# Altium PCB JTAG批量下载板-V1.6-ASCII.PcbDoc (part 2 of 14) (continued)
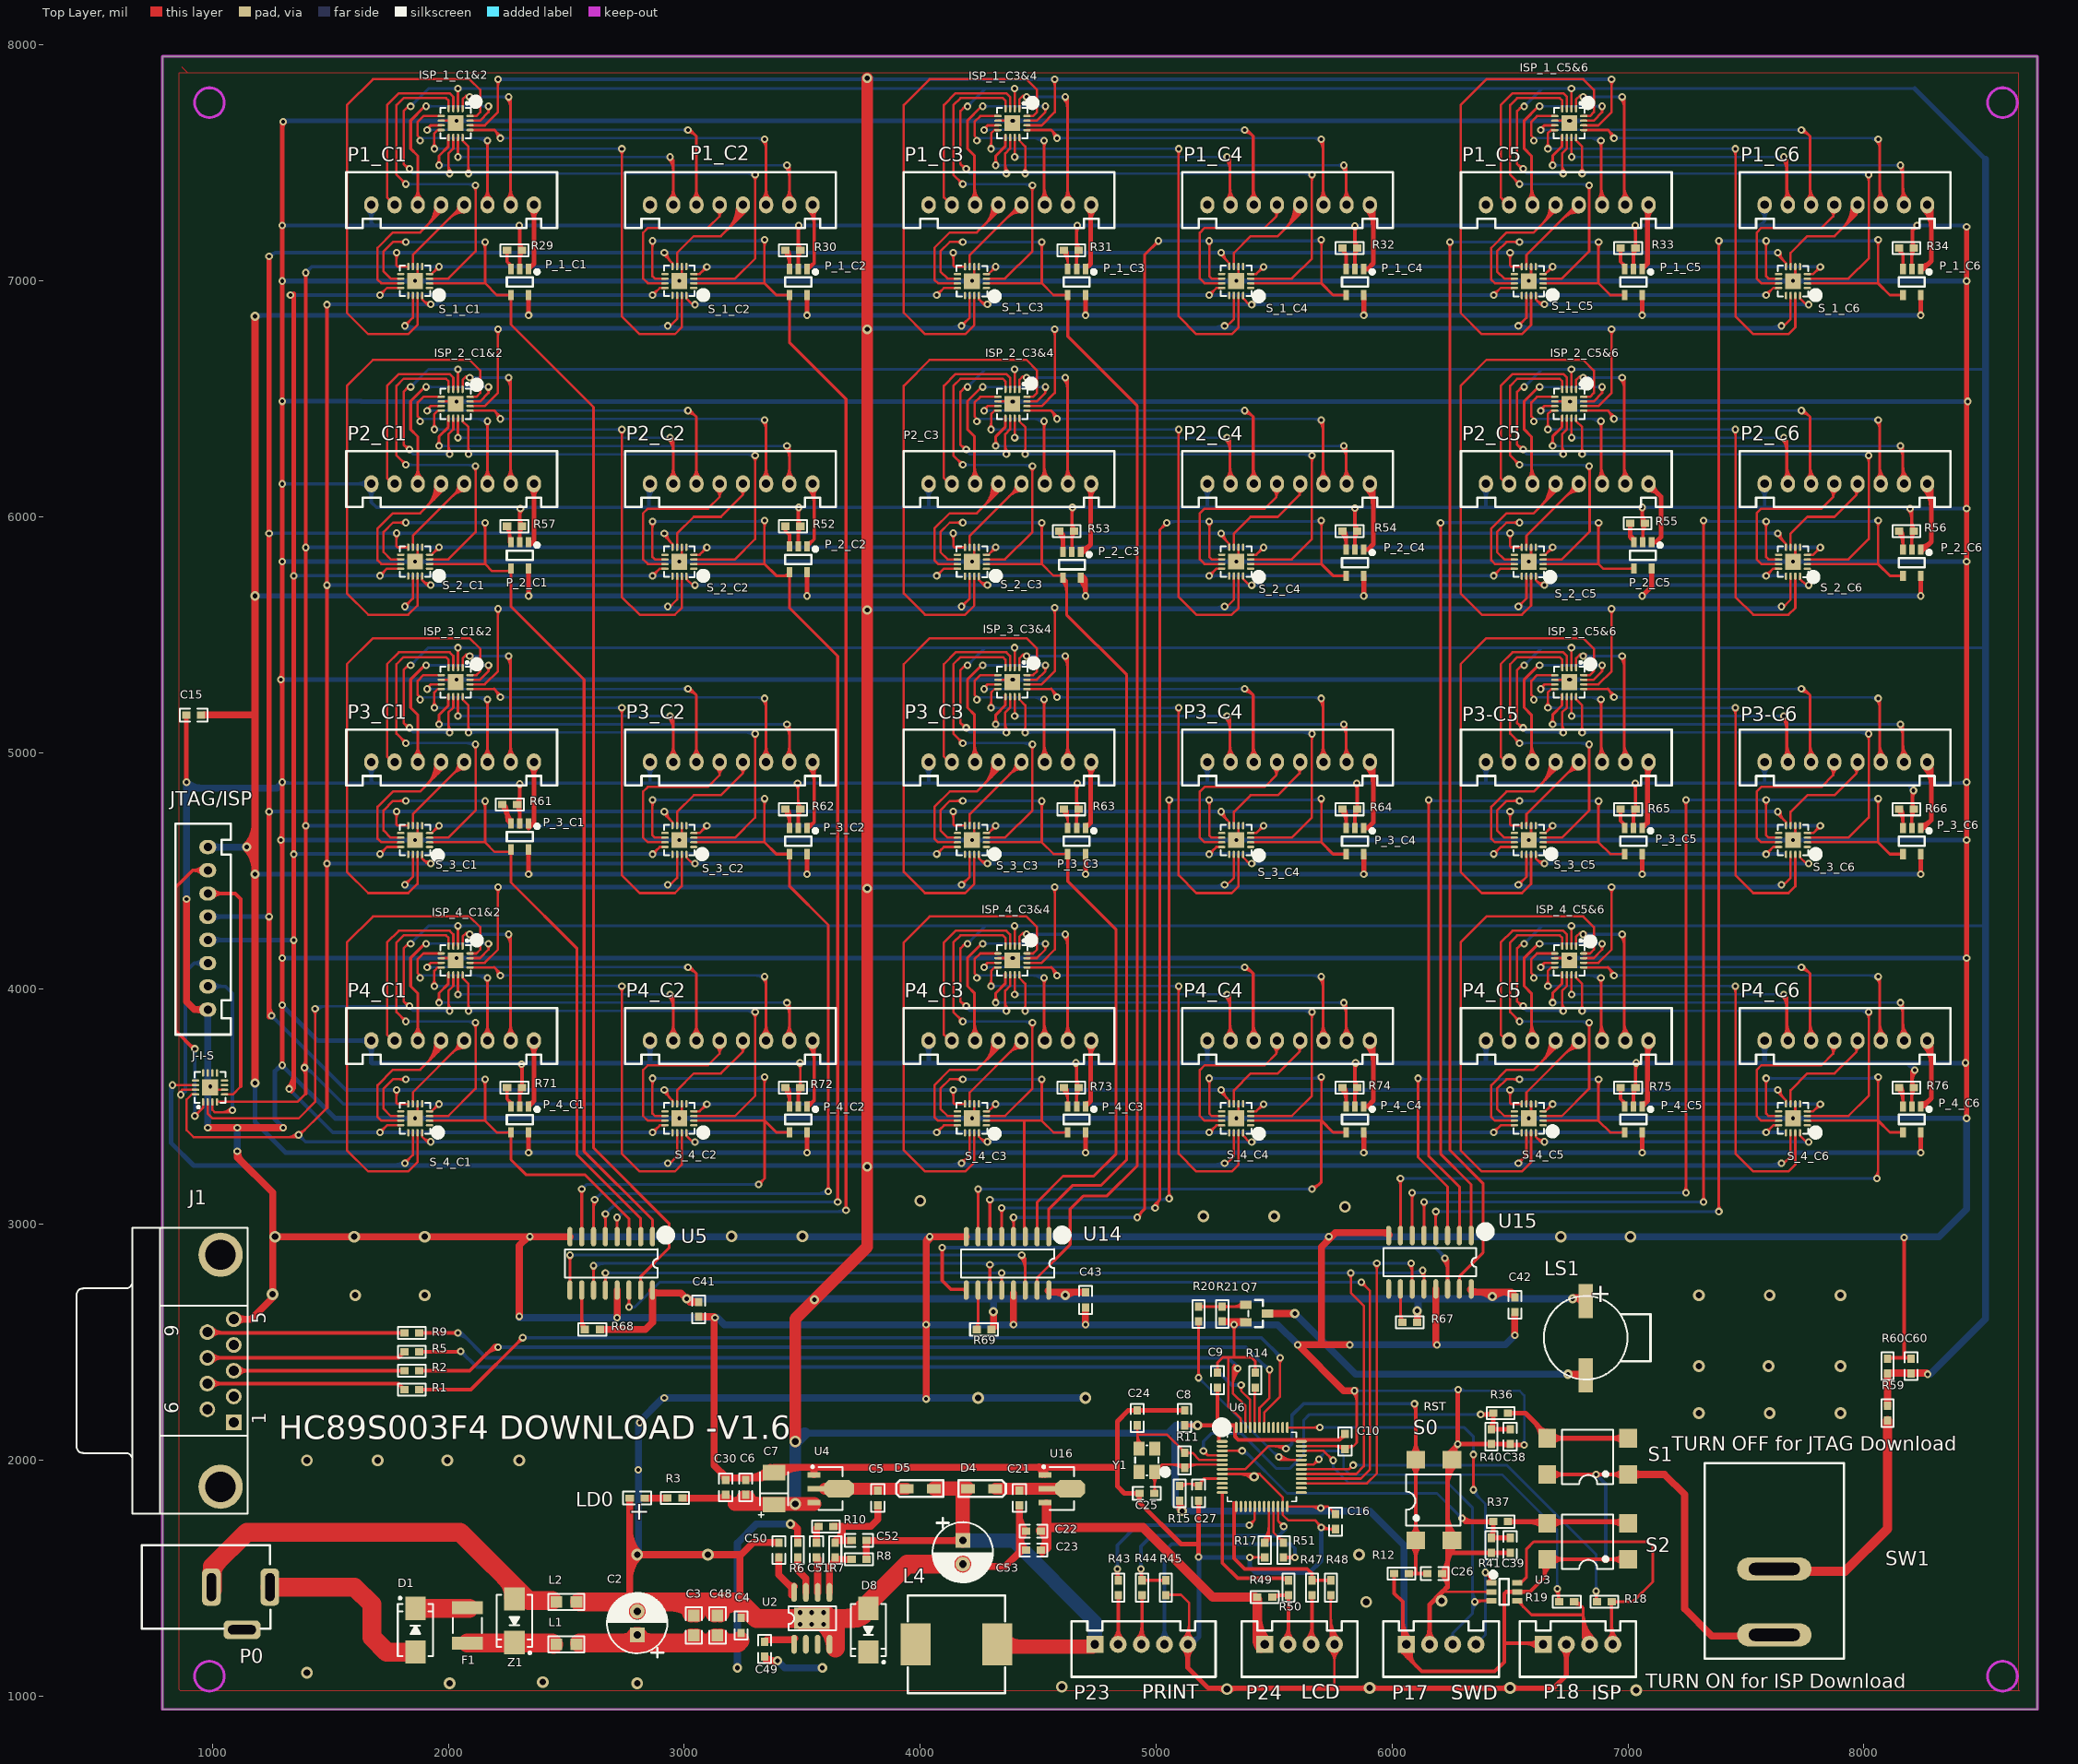
[diagram p0: Top Layer view]
## Nets (pads, with @x,y where several pads share a name; then routed paths per layer and width w, separated by ;. In a path a pad name is that pad's centre, name@x,y a point inside that pad or via, vN(x,y) a via of type N, cw(c..) or ccw(c..) an arc to the next point about the centre after c; other vN are vias at no path point) (continued)
  Top Layer w50: v2(3470,2080) 3470,2600 3775,2905 v3(3775,7860)
  Top Layer w60: C6.1@3249.92,1841.46 ccw(c3313.8,1905.33) 3313.8,1815 ; C6.1@3271.11,1842.61 cw(c3213.51,1888.9) 3213.51,1815 U4.3@3550,1815
  Bottom Layer w15: v1(2210,7855.55) v1(6930,7855.55) ; 2230.52,7855.55 cw(c2230.52,7876.07) 2216.01,7861.56 ccw(c2230.52,7876.07) 2230.52,7855.55 ; 2230.52,7855.55 ccw(c2230.52,7835.03) 2216.01,7849.54 cw(c2230.52,7835.03) 2230.52,7855.55 ; 4549.48,7855.55 cw(c4549.48,7835.03) 4563.99,7849.54 ccw(c4549.48,7835.03) 4549.48,7855.55 ; 4549.48,7855.55 ccw(c4549.48,7876.07) 4563.99,7861.56 cw(c4549.48,7876.07) 4549.48,7855.55 ; 4590.52,7855.55 cw(c4590.52,7876.07) 4576.01,7861.56 ccw(c4590.52,7876.07) 4590.52,7855.55 ; 4590.52,7855.55 ccw(c4590.52,7835.03) 4576.01,7849.54 cw(c4590.52,7835.03) 4590.52,7855.55 ; 6909.48,7855.55 cw(c6909.48,7835.03) 6923.99,7849.54 ccw(c6909.48,7835.03) 6909.48,7855.55 ; 6909.48,7855.55 ccw(c6909.48,7876.07) 6923.99,7861.56 cw(c6909.48,7876.07) 6909.48,7855.55 ; 3734.08,7855.55 ccw(c3734.08,7900.92) 3766.16,7868.84 cw(c3734.08,7900.92) 3734.08,7855.55 ; v3@3783.84,7868.84 ccw(c3815.92,7900.92) 3815.92,7855.55 cw(c3815.92,7900.92) v3@3783.84,7868.84
  Bottom Layer w16: v1(6865,1940) 6905,1900 v1(6905,1580) ; v1@6865,1932 cw(c6865,1912.69) 6878.66,1926.34 ; v1@6865,1932 cw(c6865,1912.69) 6878.66,1926.34 ; v1@6865,1932 cw(c6865,1912.69) 6878.66,1926.34 ; v1@6865,1932 cw(c6865,1912.69) 6878.66,1926.34 ; v1@6865,1932 cw(c6865,1912.69) 6878.66,1926.34 ; v1@6873,1940 ccw(c6892.31,1940) 6878.66,1926.34 ; v1@6873,1940 ccw(c6892.31,1940) 6878.66,1926.34 ; v1@6873,1940 ccw(c6892.31,1940) 6878.66,1926.34 ; v1@6873,1940 ccw(c6892.31,1940) 6878.66,1926.34 ; v1@6873,1940 ccw(c6892.31,1940) 6878.66,1926.34 ; v1@6899.34,1585.66 ccw(c6885.69,1599.31) 6905,1599.31 ; v1@6899.34,1585.66 ccw(c6885.69,1599.31) 6905,1599.31 ; v1@6899.34,1585.66 ccw(c6885.69,1599.31) 6905,1599.31 ; v1@6899.34,1585.66 ccw(c6885.69,1599.31) 6905,1599.31 ; v1@6899.34,1585.66 ccw(c6885.69,1599.31) 6905,1599.31 ; 6905,1599.31 ccw(c6924.31,1599.31) v1@6910.66,1585.66 ; 6905,1599.31 ccw(c6924.31,1599.31) v1@6910.66,1585.66 ; 6905,1599.31 ccw(c6924.31,1599.31) v1@6910.66,1585.66 ; 6905,1599.31 ccw(c6924.31,1599.31) v1@6910.66,1585.66 ; 6905,1599.31 ccw(c6924.31,1599.31) v1@6910.66,1585.66
  Bottom Layer w20: v1@835,3590.87 825,3580.87 825,3345 920,3250 7640,3250 v1(7650,3260) ; v1@1815,4430 v1@7650,4430 ; v1@1815,5610 v1@7650,5610 ; v1@1815,6800 v1@7650,6800 ; 2183.44,6800 cw(c2183.44,6768.44) v1@2205.76,6790.76 ; v1@2214.24,6790.76 cw(c2236.56,6768.44) 2236.56,6800 ; 3738.79,3250 cw(c3738.79,3208.79) v3@3767.93,3237.93 ; 3738.79,4430 cw(c3738.79,4388.79) v3@3767.93,4417.93 ; 3738.79,5610 cw(c3738.79,5568.79) v3@3767.93,5597.93 ; 3738.79,6800 cw(c3738.79,6758.79) v3@3767.93,6787.93 ; v3@3782.07,3237.93 cw(c3811.21,3208.79) 3811.21,3250 ; v3@3782.07,4417.93 cw(c3811.21,4388.79) 3811.21,4430 ; v3@3782.07,5597.93 cw(c3811.21,5568.79) 3811.21,5610 ; v3@3782.07,6787.93 cw(c3811.21,6758.79) 3811.21,6800 ; 4543.44,6800 cw(c4543.44,6768.44) v1@4565.76,6790.76 ; v1@4574.24,6790.76 cw(c4596.56,6768.44) 4596.56,6800 ; 6903.44,6800 cw(c6903.44,6768.44) v1@6925.76,6790.76 ; v1@6934.24,6790.76 cw(c6956.56,6768.44) 6956.56,6800 ; 825,3562.22 cw(c859.51,3562.22) 835.11,3586.62 ccw(c859.51,3562.22) 825,3562.22 ; 1776.37,3250 ccw(c1776.37,3298.63) 1810.76,3264.24 cw(c1776.37,3298.63) 1776.37,3250 ; v1@1819.24,3264.24 ccw(c1853.63,3298.63) 1853.63,3250 cw(c1853.63,3298.63) v1@1819.24,3264.24 ; v1@1819.24,4444.24 ccw(c1853.63,4478.63) 1853.63,4430 cw(c1853.63,4478.63) v1@1819.24,4444.24 ; v1@1819.24,5624.24 ccw(c1853.63,5658.63) 1853.63,5610 cw(c1853.63,5658.63) v1@1819.24,5624.24 ; v1@1819.24,6814.24 ccw(c1853.63,6848.63) 1853.63,6800 cw(c1853.63,6848.63) v1@1819.24,6814.24 ; 2891.37,3250 ccw(c2891.37,3298.63) 2925.76,3264.24 cw(c2891.37,3298.63) 2891.37,3250 ; 2891.37,4430 ccw(c2891.37,4478.63) 2925.76,4444.24 cw(c2891.37,4478.63) 2891.37,4430 ; 2891.37,5610 ccw(c2891.37,5658.63) 2925.76,5624.24 cw(c2891.37,5658.63) 2891.37,5610 ; 2891.37,6800 ccw(c2891.37,6848.63) 2925.76,6814.24 cw(c2891.37,6848.63) 2891.37,6800 ; v1@2934.24,3264.24 ccw(c2968.63,3298.63) 2968.63,3250 cw(c2968.63,3298.63) v1@2934.24,3264.24 ; v1@2934.24,4444.24 ccw(c2968.63,4478.63) 2968.63,4430 cw(c2968.63,4478.63) v1@2934.24,4444.24 ; v1@2934.24,5624.24 ccw(c2968.63,5658.63) 2968.63,5610 cw(c2968.63,5658.63) v1@2934.24,5624.24 ; v1@2934.24,6814.24 ccw(c2968.63,6848.63) 2968.63,6800 cw(c2968.63,6848.63) v1@2934.24,6814.24 ; 4136.37,3250 ccw(c4136.37,3298.63) 4170.76,3264.24 cw(c4136.37,3298.63) 4136.37,3250 ; 4136.37,4430 ccw(c4136.37,4478.63) 4170.76,4444.24 cw(c4136.37,4478.63) 4136.37,4430 ; 4136.37,5610 ccw(c4136.37,5658.63) 4170.76,5624.24 cw(c4136.37,5658.63) 4136.37,5610 ; 4136.37,6800 ccw(c4136.37,6848.63) 4170.76,6814.24 cw(c4136.37,6848.63) 4136.37,6800 ; v1@4179.24,3264.24 ccw(c4213.63,3298.63) 4213.63,3250 cw(c4213.63,3298.63) v1@4179.24,3264.24 ; v1@4179.24,4444.24 ccw(c4213.63,4478.63) 4213.63,4430 cw(c4213.63,4478.63) v1@4179.24,4444.24 ; v1@4179.24,5624.24 ccw(c4213.63,5658.63) 4213.63,5610 cw(c4213.63,5658.63) v1@4179.24,5624.24 ; v1@4179.24,6814.24 ccw(c4213.63,6848.63) 4213.63,6800 cw(c4213.63,6848.63) v1@4179.24,6814.24 ; 4543.44,5610 ccw(c4543.44,5641.56) 4565.76,5619.24 cw(c4543.44,5641.56) 4543.44,5610 ; v1@4574.24,5619.24 ccw(c4596.56,5641.56) 4596.56,5610 cw(c4596.56,5641.56) v1@4574.24,5619.24 ; 5251.37,3250 ccw(c5251.37,3298.63) 5285.76,3264.24 cw(c5251.37,3298.63) 5251.37,3250 ; 5251.37,4430 ccw(c5251.37,4478.63) 5285.76,4444.24 cw(c5251.37,4478.63) 5251.37,4430 ; 5251.37,5610 ccw(c5251.37,5658.63) 5285.76,5624.24 cw(c5251.37,5658.63) 5251.37,5610 ; 5251.37,6800 ccw(c5251.37,6848.63) 5285.76,6814.24 cw(c5251.37,6848.63) 5251.37,6800 ; v1@5294.24,3264.24 ccw(c5328.63,3298.63) 5328.63,3250 cw(c5328.63,3298.63) v1@5294.24,3264.24 ; v1@5294.24,4444.24 ccw(c5328.63,4478.63) 5328.63,4430 cw(c5328.63,4478.63) v1@5294.24,4444.24 ; v1@5294.24,5624.24 ccw(c5328.63,5658.63) 5328.63,5610 cw(c5328.63,5658.63) v1@5294.24,5624.24 ; v1@5294.24,6814.24 ccw(c5328.63,6848.63) 5328.63,6800 cw(c5328.63,6848.63) v1@5294.24,6814.24 ; 6496.37,3250 ccw(c6496.37,3298.63) 6530.76,3264.24 cw(c6496.37,3298.63) 6496.37,3250 ; 6496.37,4430 ccw(c6496.37,4478.63) 6530.76,4444.24 cw(c6496.37,4478.63) 6496.37,4430 ; 6496.37,5610 ccw(c6496.37,5658.63) 6530.76,5624.24 cw(c6496.37,5658.63) 6496.37,5610 ; 6496.37,6800 ccw(c6496.37,6848.63) 6530.76,6814.24 cw(c6496.37,6848.63) 6496.37,6800 ; v1@6539.24,3264.24 ccw(c6573.63,3298.63) 6573.63,3250 cw(c6573.63,3298.63) v1@6539.24,3264.24 ; v1@6539.24,4444.24 ccw(c6573.63,4478.63) 6573.63,4430 cw(c6573.63,4478.63) v1@6539.24,4444.24 ; v1@6539.24,5624.24 ccw(c6573.63,5658.63) 6573.63,5610 cw(c6573.63,5658.63) v1@6539.24,5624.24 ; v1@6539.24,6814.24 ccw(c6573.63,6848.63) 6573.63,6800 cw(c6573.63,6848.63) v1@6539.24,6814.24 ; 7611.37,3250 ccw(c7611.37,3298.63) 7645.76,3264.24 cw(c7611.37,3298.63) 7611.37,3250 ; 7611.37,4430 ccw(c7611.37,4478.63) 7645.76,4444.24 cw(c7611.37,4478.63) 7611.37,4430 ; 7611.37,5610 ccw(c7611.37,5658.63) 7645.76,5624.24 cw(c7611.37,5658.63) 7611.37,5610 ; 7611.37,6800 ccw(c7611.37,6848.63) 7645.76,6814.24 cw(c7611.37,6848.63) 7611.37,6800
  Bottom Layer w30: v3(3010,2685) v3(6765,2685) ; 3510,2115 5050,2115 5083.5,2148.5 v3(5175,2148.5) ; v3(4310,2630) 4310,2680 ; 5080,2140 5080,1815 v3(5110,1785) 5905,1785 6050,1640 P17.1@6050,1225 ; v3@6110,2637.01 6110,2685 ; 4566.72,2685 ccw(c4566.72,2748.28) v3@4611.46,2703.54 ; 4566.72,2685 ccw(c4566.72,2748.28) v3@4611.46,2703.54 ; 4566.72,2685 ccw(c4566.72,2748.28) v3@4611.46,2703.54 ; 4566.72,2685 ccw(c4566.72,2748.28) v3@4611.46,2703.54 ; v3@4618.54,2703.54 ccw(c4663.28,2748.28) 4663.28,2685 ; v3@4618.54,2703.54 ccw(c4663.28,2748.28) 4663.28,2685 ; v3@4618.54,2703.54 ccw(c4663.28,2748.28) 4663.28,2685 ; v3@4618.54,2703.54 ccw(c4663.28,2748.28) 4663.28,2685 ; 5666.37,1785 ccw(c5666.37,1828.63) v1@5697.22,1797.78 ; 5666.37,1785 ccw(c5666.37,1828.63) v1@5697.22,1797.78 ; 5666.37,1785 ccw(c5666.37,1828.63) v1@5697.22,1797.78 ; v1@5698.64,1797.78 ccw(c5729.49,1828.63) 5729.49,1785 ; v1@5698.64,1797.78 ccw(c5729.49,1828.63) 5729.49,1785 ; v1@5698.64,1797.78 ccw(c5729.49,1828.63) 5729.49,1785 ; 6050,1294.84 ccw(c6134.84,1294.84) P17.1@6074.85,1234.85 ; 6050,1294.84 ccw(c6134.84,1294.84) P17.1@6074.85,1234.85 ; 6050,1294.84 ccw(c6134.84,1294.84) P17.1@6074.85,1234.85 ; 6050,1294.84 ccw(c6134.84,1294.84) P17.1@6074.85,1234.85 ; v3@6102.96,2637.04 ccw(c6085.97,2654.03) 6110,2654.03 ; v3@6102.96,2637.04 ccw(c6085.97,2654.03) 6110,2654.03 ; v3@6102.96,2637.04 ccw(c6085.97,2654.03) 6110,2654.03 ; v3@6102.96,2637.04 ccw(c6085.97,2654.03) 6110,2654.03 ; v3@6102.96,2637.04 ccw(c6085.97,2654.03) 6110,2654.03 ; 6388.79,2685 ccw(c6388.79,2731.21) v3@6421.46,2698.54 ; 6388.79,2685 ccw(c6388.79,2731.21) v3@6421.46,2698.54 ; 6388.79,2685 ccw(c6388.79,2731.21) v3@6421.46,2698.54 ; 6388.79,2685 ccw(c6388.79,2731.21) v3@6421.46,2698.54 ; v3@6428.54,2698.54 ccw(c6461.21,2731.21) 6461.21,2685 ; v3@6428.54,2698.54 ccw(c6461.21,2731.21) 6461.21,2685 ; v3@6428.54,2698.54 ccw(c6461.21,2731.21) 6461.21,2685 ; v3@6428.54,2698.54 ccw(c6461.21,2731.21) 6461.21,2685 ; 3529.27,2685 cw(c3529.27,2659.27) 3547.47,2677.47 ccw(c3529.27,2659.27) 3529.27,2685 ; v3@3554.54,2677.47 cw(c3572.73,2659.27) 3572.73,2685 ccw(c3572.73,2659.27) v3@3554.54,2677.47
  Bottom Layer w50: v2(3470,1815) 3470,2075 3510,2115
  other v1: 5697.93,1797.07 2930,3260 5290,3260 2930,4440 5290,4440 7650,4440 2930,5620 5290,5620 7650,5620 2930,6810 5290,6810 7650,6810
  other v3: 3551,2681 6425,2695 4615,2700 3775,3245 3775,4425 3775,5605 3775,6795
5V: C22.1 C23.2 P24.1 R49.2 U16.3 | length 4960.8
  Top Layer w20: C23.2@4520,1615 4535,1630 ; R49.2@5428.5,1420 5428.5,1251.5 P24.1@5460,1220 ; C23.2@4515.33,1625.44 ccw(c4521.51,1643.49) 4535,1630 ; C23.2@4515.33,1625.44 ccw(c4521.51,1643.49) 4535,1630 ; C23.2@4515.33,1625.44 ccw(c4521.51,1643.49) 4535,1630 ; C23.2@4515.33,1625.44 ccw(c4521.51,1643.49) 4535,1630 ; C23.2@4515.33,1625.44 ccw(c4521.51,1643.49) 4535,1630 ; 5428.5,1262.24 ccw(c5502.24,1262.24) P24.1@5450.1,1210.1 ; 5428.5,1262.24 ccw(c5502.24,1262.24) P24.1@5450.1,1210.1 ; 5428.5,1262.24 ccw(c5502.24,1262.24) P24.1@5450.1,1210.1 ; 5428.5,1262.24 ccw(c5502.24,1262.24) P24.1@5450.1,1210.1 ; 5428.5,1262.24 ccw(c5502.24,1262.24) P24.1@5450.1,1210.1 ; 5428.5,1310.52 ccw(c5550.52,1310.52) P24.1@5464.24,1224.24 ; 5428.5,1310.52 ccw(c5550.52,1310.52) P24.1@5464.24,1224.24 ; 5428.5,1310.52 ccw(c5550.52,1310.52) P24.1@5464.24,1224.24 ; 5428.5,1310.52 ccw(c5550.52,1310.52) P24.1@5464.24,1224.24 ; 5428.5,1310.52 ccw(c5550.52,1310.52) P24.1@5464.24,1224.24 ; 5428.5,1358.81 ccw(c5598.81,1358.81) P24.1@5478.38,1238.38 ; 5428.5,1358.81 ccw(c5598.81,1358.81) P24.1@5478.38,1238.38 ; 5428.5,1358.81 ccw(c5598.81,1358.81) P24.1@5478.38,1238.38 ; 5428.5,1358.81 ccw(c5598.81,1358.81) P24.1@5478.38,1238.38 ; 5428.5,1358.81 ccw(c5598.81,1358.81) P24.1@5478.38,1238.38
  Top Layer w40: 4535,1630 U16.3@4535,1815 ; P24.1@5428.5,1251.5 5428.5,1410 5418.5,1420 5240,1420 4945,1715 4535,1715 ; C22.1@4510.07,1702.56 cw(c4535,1683.8) 4535,1715 ; C22.1@4510.07,1702.56 cw(c4535,1683.8) 4535,1715 ; C22.1@4510.07,1702.56 cw(c4535,1683.8) 4535,1715 ; C22.1@4510.07,1702.56 cw(c4535,1683.8) 4535,1715 ; C22.1@4510.07,1702.56 cw(c4535,1683.8) 4535,1715 ; C22.1@4510.46,1703.01 cw(c4539.41,1674.05) 4539.41,1715 ; C22.1@4510.46,1703.01 cw(c4539.41,1674.05) 4539.41,1715 ; C22.1@4510.46,1703.01 cw(c4539.41,1674.05) 4539.41,1715 ; C22.1@4510.46,1703.01 cw(c4539.41,1674.05) 4539.41,1715 ; C22.1@4510.46,1703.01 cw(c4539.41,1674.05) 4539.41,1715 ; C23.2@4516.47,1616.99 ccw(c4471.74,1661.73) 4535,1661.73 ; C23.2@4516.47,1616.99 ccw(c4471.74,1661.73) 4535,1661.73 ; C23.2@4516.47,1616.99 ccw(c4471.74,1661.73) 4535,1661.73 ; C23.2@4516.47,1616.99 ccw(c4471.74,1661.73) 4535,1661.73 ; C23.2@4516.47,1616.99 ccw(c4471.74,1661.73) 4535,1661.73 ; C22.1@4516.47,1696.99 ccw(c4471.74,1741.73) 4535,1741.73 ; C22.1@4516.47,1696.99 ccw(c4471.74,1741.73) 4535,1741.73 ; C22.1@4516.47,1696.99 ccw(c4471.74,1741.73) 4535,1741.73 ; C22.1@4516.47,1696.99 ccw(c4471.74,1741.73) 4535,1741.73 ; C22.1@4516.47,1696.99 ccw(c4471.74,1741.73) 4535,1741.73 ; C22.1@4516.47,1703.01 cw(c4471.74,1658.27) 4535,1658.27 ; C22.1@4516.47,1703.01 cw(c4471.74,1658.27) 4535,1658.27 ; C22.1@4516.47,1703.01 cw(c4471.74,1658.27) 4535,1658.27 ; C22.1@4516.47,1703.01 cw(c4471.74,1658.27) 4535,1658.27 ; C22.1@4516.47,1703.01 cw(c4471.74,1658.27) 4535,1658.27 ; P24.1@5428.5,1238.1 ccw(c5478.1,1238.1) P24.1@5443.03,1203.03 ; P24.1@5428.5,1238.1 ccw(c5478.1,1238.1) P24.1@5443.03,1203.03 ; P24.1@5428.5,1238.1 ccw(c5478.1,1238.1) P24.1@5443.03,1203.03 ; P24.1@5428.5,1238.1 ccw(c5478.1,1238.1) P24.1@5443.03,1203.03 ; P24.1@5428.5,1238.1 ccw(c5478.1,1238.1) P24.1@5443.03,1203.03 ; 5428.5,1334.67 ccw(c5574.67,1334.67) P24.1@5471.31,1231.31 ; 5428.5,1334.67 ccw(c5574.67,1334.67) P24.1@5471.31,1231.31 ; 5428.5,1334.67 ccw(c5574.67,1334.67) P24.1@5471.31,1231.31 ; 5428.5,1334.67 ccw(c5574.67,1334.67) P24.1@5471.31,1231.31 ; 5428.5,1334.67 ccw(c5574.67,1334.67) P24.1@5471.31,1231.31
8V: C52.1 C53.1 D4.1 D5.1 L4.2 P23.1 R8.2 | length 3110.5
  Top Layer w30: R8.2@3771.5,1580 C52.1@3771.5,1660 C53.1@4180,1660 ; 4140.18,1660 cw(c4140.18,1620.18) C53.1@4168.34,1648.34 ; 4140.18,1660 ccw(c4140.18,1699.82) C53.1@4168.34,1671.66 ; 4140.18,1660 cw(c4140.18,1620.18) C53.1@4168.34,1648.34 ; 4140.18,1660 ccw(c4140.18,1699.82) C53.1@4168.34,1671.66 ; 4140.18,1660 cw(c4140.18,1620.18) C53.1@4168.34,1648.34 ; 4140.18,1660 ccw(c4140.18,1699.82) C53.1@4168.34,1671.66 ; 4140.18,1660 cw(c4140.18,1620.18) C53.1@4168.34,1648.34 ; 4140.18,1660 ccw(c4140.18,1699.82) C53.1@4168.34,1671.66 ; 4140.18,1660 cw(c4140.18,1620.18) C53.1@4168.34,1648.34 ; 4140.18,1660 ccw(c4140.18,1699.82) C53.1@4168.34,1671.66
  Top Layer w40: 4180,1851.58 cw(c4220.51,1851.58) D4.1@4191.86,1880.22 ; 4180,1851.58 cw(c4220.51,1851.58) D4.1@4191.86,1880.22 ; 4180,1851.58 cw(c4220.51,1851.58) D4.1@4191.86,1880.22
  Top Layer w60: D5.1@4058.07,1880 D4.1@4201.93,1880 ; C53.1@4180,1660 D4.1@4180,1880 ; L4.2@4330,1210 4730,1210 P23.1@4740,1220 ; L4.2@4349.79,1243.33 ccw(c4430.25,1323.79) 4430.25,1210 ; L4.2@4349.79,1243.33 ccw(c4430.25,1323.79) 4430.25,1210 ; L4.2@4349.79,1243.33 ccw(c4430.25,1323.79) 4430.25,1210 ; L4.2@4349.79,1243.33 ccw(c4430.25,1323.79) 4430.25,1210 ; L4.2@4349.79,1243.33 ccw(c4430.25,1323.79) 4430.25,1210 ; 4701.37,1210 ccw(c4701.37,1258.63) P23.1@4735.76,1224.24 ; 4701.37,1210 ccw(c4701.37,1258.63) P23.1@4735.76,1224.24 ; 4701.37,1210 ccw(c4701.37,1258.63) P23.1@4735.76,1224.24 ; 4701.37,1210 ccw(c4701.37,1258.63) P23.1@4735.76,1224.24 ; 4701.37,1210 ccw(c4701.37,1258.63) P23.1@4735.76,1224.24
  Bottom Layer w60: C53.1@4180,1660 4395,1660 4740,1315 P23.1@4740,1220
12V: C2.1 C3.1 C4.1 C48.1 L1.1 R6.2 U2.2 | length 3703
  Top Layer w30: v3(3450,1730) 3460,1730 3480,1710 R6.2@3480,1651.5 ; v3@3450,1725 cw(c3450,1688.79) 3475.61,1714.39 ; v3@3450,1725 cw(c3450,1688.79) 3475.61,1714.39 ; v3@3450,1725 cw(c3450,1688.79) 3475.61,1714.39 ; v3@3450,1725 cw(c3450,1688.79) 3475.61,1714.39 ; v3@3450,1725 cw(c3450,1688.79) 3475.61,1714.39
  Top Layer w80: L1.1@2555,1225 3225,1225 3235,1235 ; 2780,1225 C2.1@2800,1245 ; 2736.03,1225 ccw(c2736.03,1323.97) C2.1@2806.01,1253.99 ; 2736.03,1225 ccw(c2736.03,1323.97) C2.1@2806.01,1253.99 ; 2736.03,1225 ccw(c2736.03,1323.97) C2.1@2806.01,1253.99 ; 2736.03,1225 ccw(c2736.03,1323.97) C2.1@2806.01,1253.99 ; 2736.03,1225 ccw(c2736.03,1323.97) C2.1@2806.01,1253.99 ; C2.1@2793.99,1253.99 ccw(c2863.97,1323.97) 2863.97,1225 ; C2.1@2793.99,1253.99 ccw(c2863.97,1323.97) 2863.97,1225 ; C2.1@2793.99,1253.99 ccw(c2863.97,1323.97) 2863.97,1225 ; C2.1@2793.99,1253.99 ccw(c2863.97,1323.97) 2863.97,1225 ; C2.1@2793.99,1253.99 ccw(c2863.97,1323.97) 2863.97,1225 ; 2997.21,1225 ccw(c2997.21,1300.51) C3.1@3050.61,1247.12 ; 2997.21,1225 ccw(c2997.21,1300.51) C3.1@3050.61,1247.12 ; 2997.21,1225 ccw(c2997.21,1300.51) C3.1@3050.61,1247.12 ; 2997.21,1225 ccw(c2997.21,1300.51) C3.1@3050.61,1247.12 ; 2997.21,1225 ccw(c2997.21,1300.51) C3.1@3050.61,1247.12 ; C3.1@3029.39,1247.12 ccw(c3082.79,1300.51) 3082.79,1225 ; C3.1@3029.39,1247.12 ccw(c3082.79,1300.51) 3082.79,1225 ; C3.1@3029.39,1247.12 ccw(c3082.79,1300.51) 3082.79,1225 ; C3.1@3029.39,1247.12 ccw(c3082.79,1300.51) 3082.79,1225 ; C3.1@3029.39,1247.12 ccw(c3082.79,1300.51) 3082.79,1225 ; 3097.21,1225 ccw(c3097.21,1300.51) C48.1@3150.61,1247.12 ; 3097.21,1225 ccw(c3097.21,1300.51) C48.1@3150.61,1247.12 ; 3097.21,1225 ccw(c3097.21,1300.51) C48.1@3150.61,1247.12 ; 3097.21,1225 ccw(c3097.21,1300.51) C48.1@3150.61,1247.12 ; 3097.21,1225 ccw(c3097.21,1300.51) C48.1@3150.61,1247.12 ; C48.1@3129.39,1247.12 ccw(c3182.79,1300.51) 3182.79,1225 ; C48.1@3129.39,1247.12 ccw(c3182.79,1300.51) 3182.79,1225 ; C48.1@3129.39,1247.12 ccw(c3182.79,1300.51) 3182.79,1225 ; C48.1@3129.39,1247.12 ccw(c3182.79,1300.51) 3182.79,1225 ; C48.1@3129.39,1247.12 ccw(c3182.79,1300.51) 3182.79,1225
  Bottom Layer w30: v3(3225,1120) 3225,1650 3305,1730 v3(3450,1730)
12V+: F1.2 L1.2 Z1.K | length 370.4
  Top Layer w80: F1.2@2080,1225.2 2439.8,1225.2 L1.2@2445,1220 ; Z1.K@2277.72,1225.2 Z1.K@2280,1227.48
12V-: L2.2 P0.2 Z1.A | length 1989.8
  Top Layer w80: P0.2@994.64,1502.2 cw(c1097.11,1502.2) 1024.65,1574.65 ; P0.2@1000,1450 1000,1550 1145,1695 2050,1695 2340,1405 L2.2@2440,1405 ; 2241.42,1503.58 cw(c2156.27,1418.43) 2276.69,1418.43 ccw(c2156.27,1418.43) 2241.42,1503.58
BEEP_CON: R20.1 U6.32 | length 1647
  Top Layer w10: v1@5513.64,2008.64 ccw(c5531.44,2026.44) 5531.44,2001.26 ; v1(5520,2015) 5533.74,2001.26 U6.32@5614.65,2001.26 ; v1@5520.71,2015.71 ccw(c5555.59,2050.59) 5555.59,2001.26 ; v1@5527.78,2022.78 ccw(c5579.73,2074.73) 5579.73,2001.26
  Top Layer w12: v1@5180,2345 R20.1@5180,2588.5 ; v1@5172.93,2357.07 ccw(c5155.86,2374.14) 5180,2374.14 ; v1@5172.93,2357.07 ccw(c5155.86,2374.14) 5180,2374.14 ; v1@5172.93,2357.07 ccw(c5155.86,2374.14) 5180,2374.14 ; v1@5172.93,2357.07 ccw(c5155.86,2374.14) 5180,2374.14 ; v1@5172.93,2357.07 ccw(c5155.86,2374.14) 5180,2374.14 ; R20.1@5173.11,2579.64 cw(c5156.47,2563) 5180,2563 ; R20.1@5173.11,2579.64 cw(c5156.47,2563) 5180,2563 ; R20.1@5173.11,2579.64 cw(c5156.47,2563) 5180,2563 ; R20.1@5173.11,2579.64 cw(c5156.47,2563) 5180,2563 ; R20.1@5173.11,2579.64 cw(c5156.47,2563) 5180,2563 ; 5180,2374.14 ccw(c5204.14,2374.14) v1@5187.07,2357.07 ; 5180,2374.14 ccw(c5204.14,2374.14) v1@5187.07,2357.07 ; 5180,2374.14 ccw(c5204.14,2374.14) v1@5187.07,2357.07 ; 5180,2374.14 ccw(c5204.14,2374.14) v1@5187.07,2357.07 ; 5180,2374.14 ccw(c5204.14,2374.14) v1@5187.07,2357.07 ; 5180,2563 cw(c5203.53,2563) R20.1@5186.89,2579.64 ; 5180,2563 cw(c5203.53,2563) R20.1@5186.89,2579.64 ; 5180,2563 cw(c5203.53,2563) R20.1@5186.89,2579.64 ; 5180,2563 cw(c5203.53,2563) R20.1@5186.89,2579.64 ; 5180,2563 cw(c5203.53,2563) R20.1@5186.89,2579.64
  Bottom Layer w10: v1(5180,2350) 5515,2015 v1(5520,2015) ; v1@5180,2339 cw(c5180,2312.44) 5198.78,2331.22 ; v1@5180,2339 cw(c5180,2312.44) 5198.78,2331.22 ; v1@5180,2339 cw(c5180,2312.44) 5198.78,2331.22 ; v1@5180,2339 cw(c5180,2312.44) 5198.78,2331.22 ; v1@5191,2350 ccw(c5217.56,2350) 5198.78,2331.22 ; v1@5191,2350 ccw(c5217.56,2350) 5198.78,2331.22 ; v1@5191,2350 ccw(c5217.56,2350) 5198.78,2331.22 ; v1@5191,2350 ccw(c5217.56,2350) 5198.78,2331.22 ; 5492.69,2037.31 ccw(c5520,2064.63) v1@5520,2026 ; 5492.69,2037.31 ccw(c5520,2064.63) v1@5520,2026 ; 5492.69,2037.31 ccw(c5520,2064.63) v1@5520,2026 ; 5492.69,2037.31 ccw(c5520,2064.63) v1@5520,2026 ; 5504.76,2025.24 cw(c5494.51,2015) v1@5509,2015 ; 5504.76,2025.24 cw(c5494.51,2015) v1@5509,2015 ; 5504.76,2025.24 cw(c5494.51,2015) v1@5509,2015 ; 5504.76,2025.24 cw(c5494.51,2015) v1@5509,2015
BOOT0: R14.2 U6.44 | length 374.2
  Top Layer w10: U6.44@5417.8,2139.06 5417.8,2306.3 R14.2@5420,2308.5 ; R14.2@5412.4,2298.94 cw(c5399.37,2285.91) 5417.8,2285.91 ; R14.2@5412.4,2298.94 cw(c5399.37,2285.91) 5417.8,2285.91 ; R14.2@5412.4,2298.94 cw(c5399.37,2285.91) 5417.8,2285.91 ; R14.2@5412.4,2298.94 cw(c5399.37,2285.91) 5417.8,2285.91 ; R14.2@5412.4,2298.94 cw(c5399.37,2285.91) 5417.8,2285.91 ; 5417.8,2275.26 cw(c5451.27,2275.26) R14.2@5427.6,2298.94 ; 5417.8,2275.26 cw(c5451.27,2275.26) R14.2@5427.6,2298.94 ; 5417.8,2275.26 cw(c5451.27,2275.26) R14.2@5427.6,2298.94 ; 5417.8,2275.26 cw(c5451.27,2275.26) R14.2@5427.6,2298.94 ; 5417.8,2275.26 cw(c5451.27,2275.26) R14.2@5427.6,2298.94
BOOT1: R17.2 U6.20 | length 461.6
  Top Layer w10: R17.2@5452.4,1661.06 ccw(c5393.37,1720.09) 5476.85,1720.09 ; R17.2@5459.47,1653.99 ccw(c5417.51,1695.95) 5476.85,1695.95 ; R17.2@5460,1651.5 5476.85,1668.35 ; R17.2@5466.54,1646.92 ccw(c5441.66,1671.81) 5476.85,1671.81 ; U6.20@5476.85,1804.41 5476.85,1668.35 ; R17.2@5462.2,1663.98 ccw(c5465.5,1679.7) 5476.85,1668.35 ; R17.2@5462.2,1663.98 ccw(c5465.5,1679.7) 5476.85,1668.35 ; R17.2@5462.2,1663.98 ccw(c5465.5,1679.7) 5476.85,1668.35 ; R17.2@5462.2,1663.98 ccw(c5465.5,1679.7) 5476.85,1668.35 ; R17.2@5462.2,1663.98 ccw(c5465.5,1679.7) 5476.85,1668.35 ; R17.2@5470.75,1653.52 cw(c5491.58,1653.61) 5476.85,1668.35 ; R17.2@5470.75,1653.52 cw(c5491.58,1653.61) 5476.85,1668.35 ; R17.2@5470.75,1653.52 cw(c5491.58,1653.61) 5476.85,1668.35 ; R17.2@5470.75,1653.52 cw(c5491.58,1653.61) 5476.85,1668.35 ; R17.2@5470.75,1653.52 cw(c5491.58,1653.61) 5476.85,1668.35